# Altium PCB Cortex.PcbDoc
Units mil, origin at the board's own origin, x right, y up, seen from the top; angles counter-clockwise.
Board outline 6000 x 4000 mil, 2 copper layers (Top Layer, Bottom Layer); 84 components, 108 nets, 387 pads, 0 vias.
Unrouted connection lines stored in the file: 38.
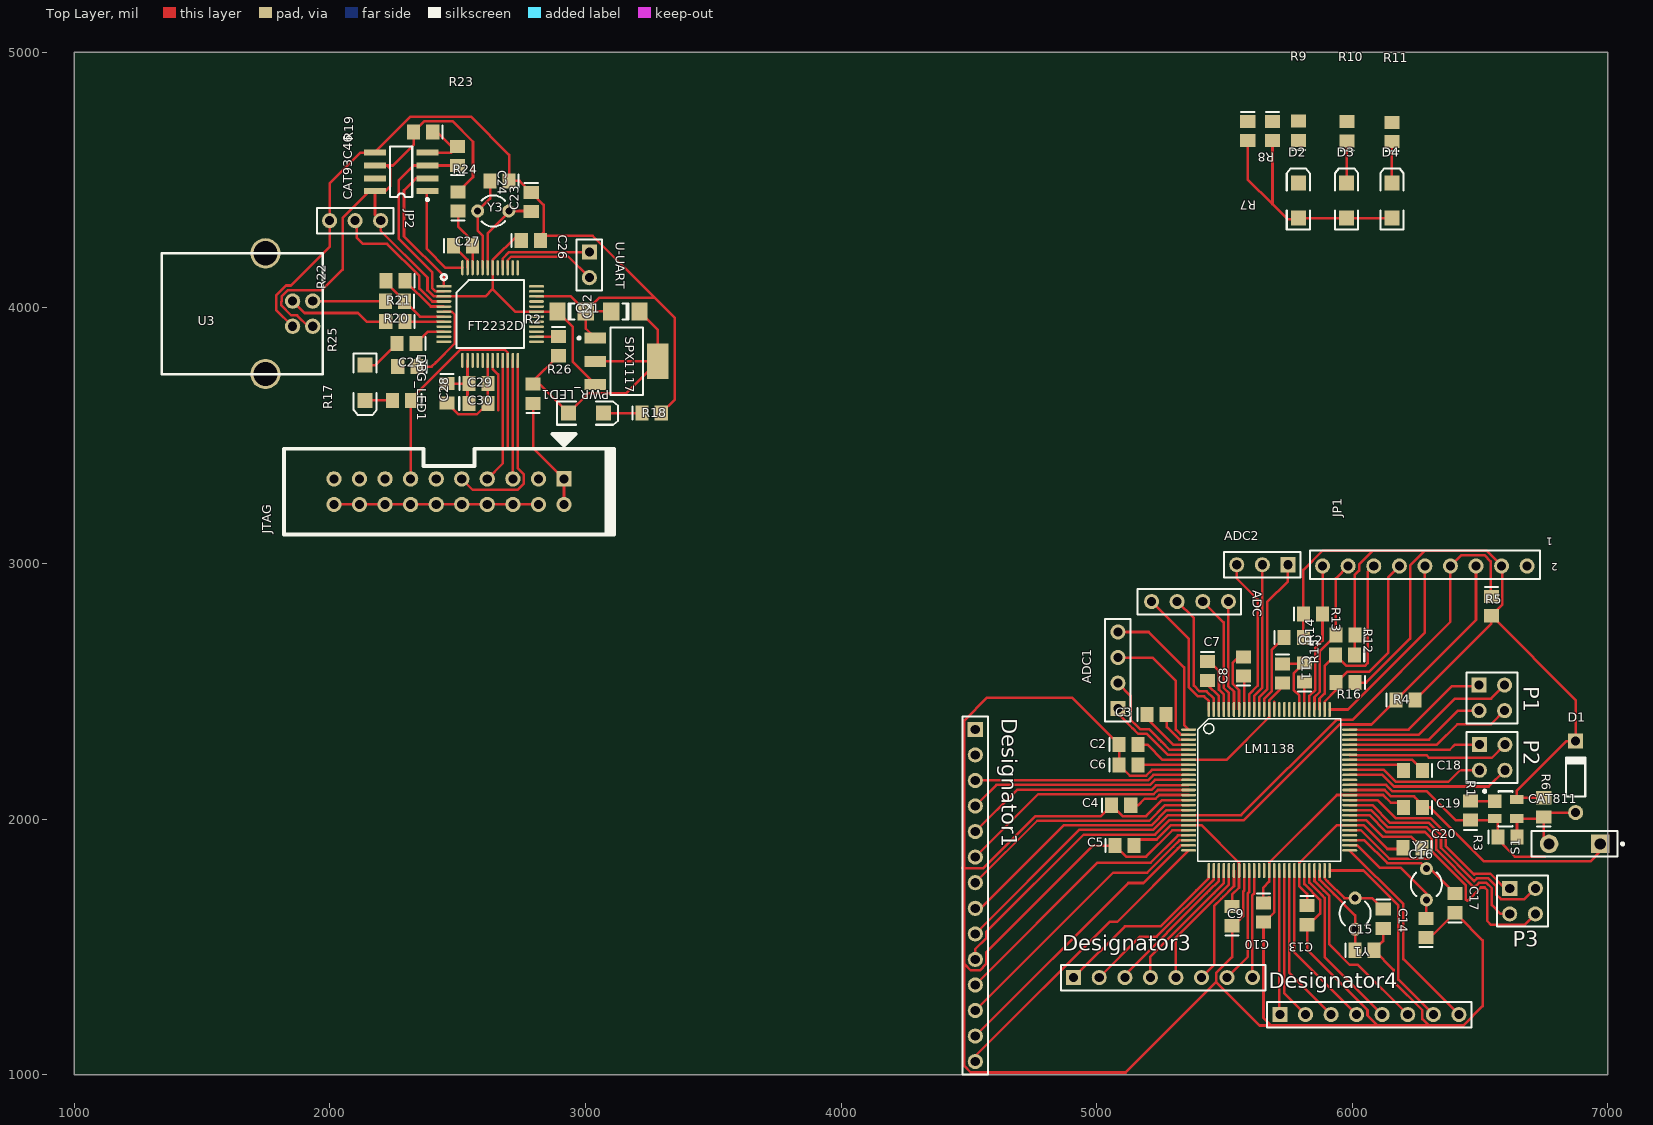
[diagram p0: Top Layer view]
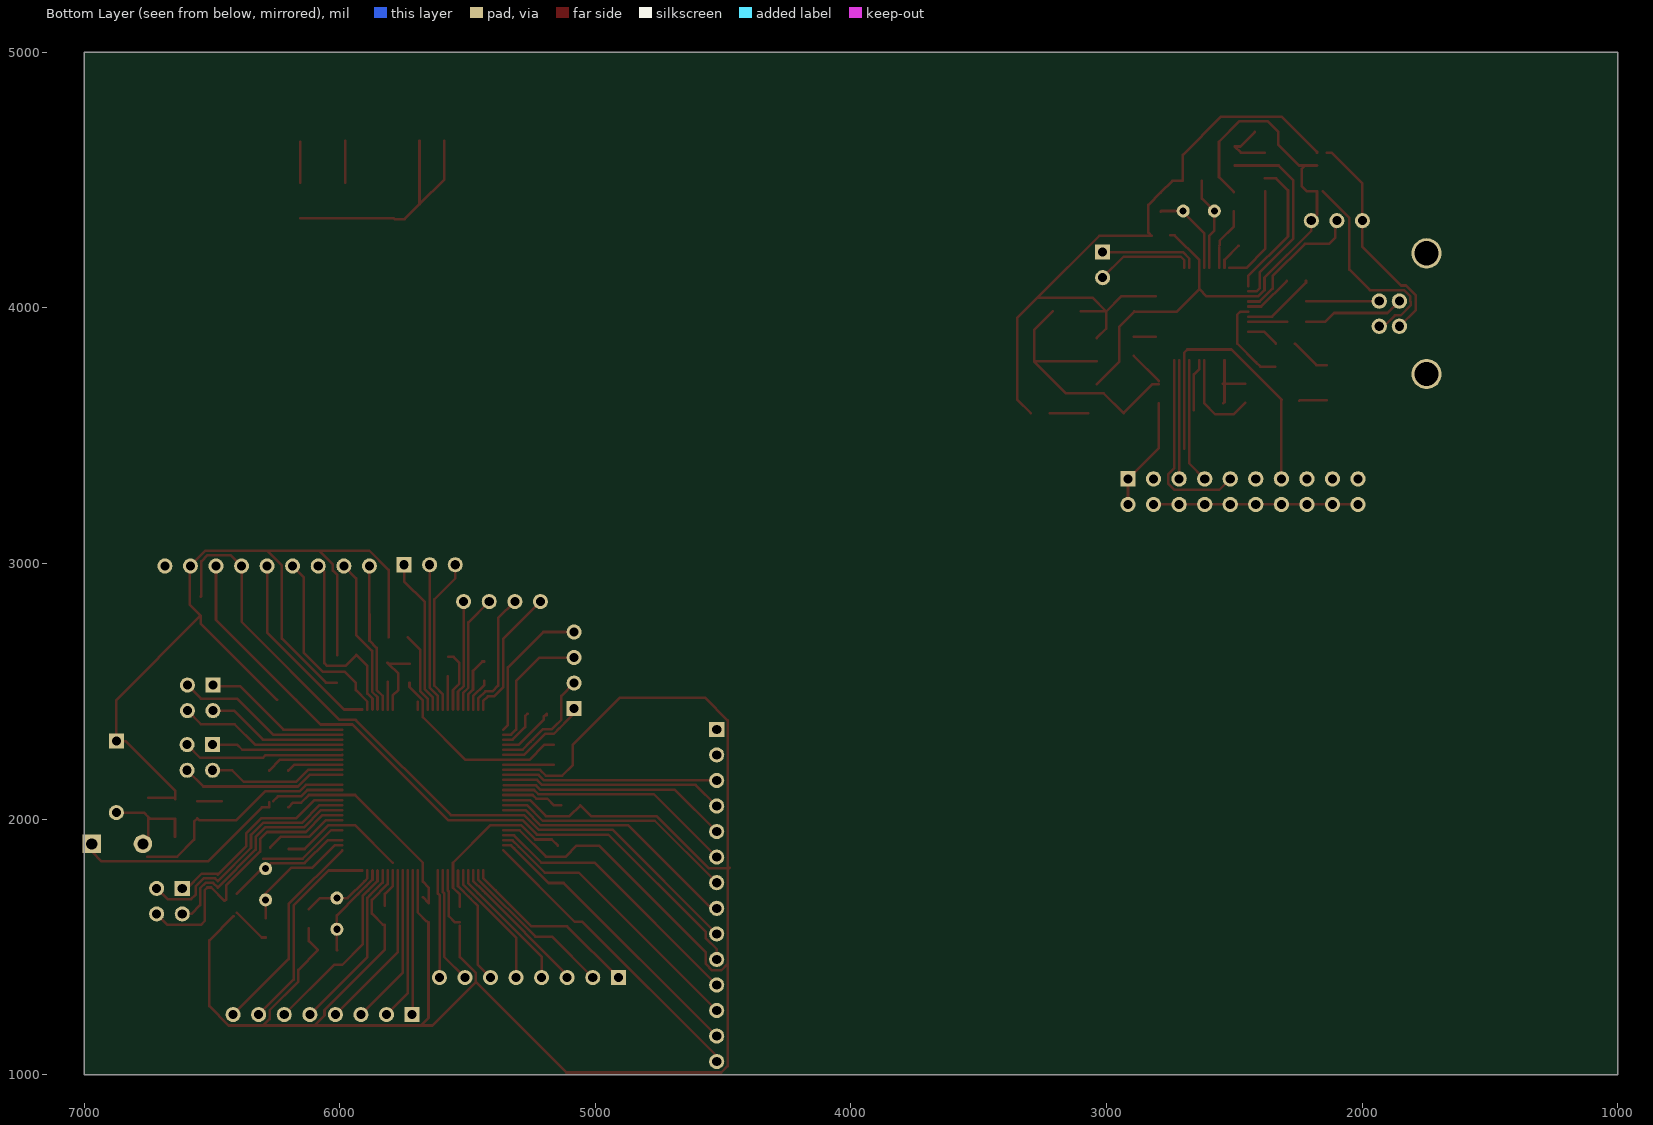
[diagram p1: Bottom Layer view, seen from below]

## Layer stack, top to bottom
Top Layer: signal copper 1.4
Dielectric: dielectric 12.6, FR-4, Dk 4.8
Bottom Layer: signal copper 1.4

## Board outline
1000,1000 7000,1000 7000,5000 1000,5000

## Design rules (kind name [scope] priority, off if disabled: settings)
Clearance [All] p1: gap=8
MinimumSolderMaskSliver [All] p1 off: minsoldermaskwidth=10
PolygonConnect [All] p1: connectstyle=Relief reliefconductorwidth=10 reliefentries=4 polygonreliefangle="90 Angle"
RoutingVias [All] p1: holewidth=28 width=50 viastyle="Through Hole" minholewidth=28 minwidth=50 maxholewidth=28 maxwidth=50
SilkToSilkClearance [All] p1 off: silktosilkclearance=10
SilkscreenOverComponentPads [All] p1 off: minsilkscreentomaskgap=10
SolderMaskExpansion [All] p1 off: expansion=4
TestPointUsage [All] p1: valid=0 allowmultiple=FALSE
Testpoint [All] p1: side=15 testpointundercomponent=TRUE minsize=40 maxsize=100 preferedsize=60 minholesize=0 maxholesize=40 preferedholesize=32 testpointgrid=1 style=1023 order=0-112345678
Width [All] p1: maxlimit=10 minlimit=10 preferedwidth=10
21 further rules are at their usual default settings.

## Components (designator, comment, footprint, x,y, rotation, side; value= is the part's Value field where it differs from the comment)
ADC "Header 8" HDR1X8#1 4815,2851 r0 top
ADC1 "Header 8" HDR1X4 5083,2432 r90 top (schematic designator ADC)
ADC2 "Header 8" HDR1X3#1 5748,2995 r180 top (schematic designator ADC)
C2 "Cap" C0805 5125,2291 r0 top
C3 "Cap" C0805 5234,2409 r0 top
C4 "Cap" C0805 5096,2054 r0 top
C5 "Cap" C0805 5109,1896 r0 top
C6 "Cap" C0805 5125,2212 r0 top
C7 "Cap" C0805 5434,2579 r270 top
C8 "Cap" C0805 5575,2597 r90 top
C9 "Cap" C0805 5530,1620 r90 top
C10 "Cap" C0805 5652,1634 r270 top
C11 "Cap" C0805 5727,2570 r270 top
C12 "Cap" C0805 5813,2574 r90 top
C13 "Cap" C0805 5823,1624 r270 top
C14 "Cap" C0805 6121,1610 r270 top
C15 "Cap" C0805 6048,1487 r0 top
C16 "Cap" C0805 6289,1574 r90 top
C17 "Cap" C0805 6402,1671 r90 top
C18 "Cap" C0805 6238,2190 r180 top
C19 "Cap" C0805 6238,2046 r180 top
C20 "Cap" C0805 6235,1888 r180 top
C21 "Cap Pol1" C1206 2946,3986 r0 top
C22 "Cap Pol1" C1206 3156,3986 r180 top
C23 "Cap" C0805 2788,4414 r270 top
C24 "Cap" C0805 2664,4497 r180 top
C25 "Cap" C0805 2303,3770 r180 top
C26 "Cap" C0805 2786,4263 r0 top
C27 "Cap" C0805 2521,4243 r0 top
C28 "Cap" C0805 2458,3666 r270 top
C29 "Cap" C0805 2582,3704 r0 top
C30 "Cap" C0805 2581,3626 r0 top
CAT93C46 "CAT93C46" SO8 2279,4532 r90 top
CAT811 "CAT811" SOT-143 6600,2040 r270 top
D1 "1N4148" DO-35 6874,2165 r90 top
D2 "LED2" 3.2X1.6X1.1 5788.87,4420 r90 top
D3 "LED2" 3.2X1.6X1.1 5977.87,4420 r90 top
D4 "LED2" 3.2X1.6X1.1 6154.87,4420 r90 top
DBG_LED1 "LED0" 3.2X1.6X1.1 2138,3707 r270 top
Designator1 "Comment" HDR1X14 4525,2351 r270 top
Designator3 "Comment" HDR1X8#2 4910,1380 r0 top
Designator4 "Comment" HDR1X8#2 5717,1235 r0 top
FT2232D "FT2232D" LQFP-48 2446,5084 r0 top locked
JP1 "Header 9X2" HDR2X9 6684,3090 r180 top
JP2 "Header 3" HDR1X3#2 1999,4341 r0 top
JTAG "JTAG(20-PIN)" IDC-20(2.54)IDE 2916,3331 r180 top
LM1138 "LM3S1138" LQFP-100 5360,2350 r0 top locked
P1 "Comment" HDR2X2 6496,2524 r270 top
P2 "Comment" HDR2X2 6497,2291 r270 top
P3 "Comment" HDR2X2 6616,1729 r270 top
PWR_LED1 "LED0" 3.2X1.6X1.1 3002,3588 r0 top
R1 "Res2" C0805 6462,2033 r90 top
R2 "Res2" C0805 2795,3664 r90 top
R3 "Res2" C0805 6607,1930 r0 top
R4 "Res2" C0805 6208,2466 r0 top
R5 "Res2" C0805 6544,2833 r270 top
R6 "Res2" C0805 6749,2046 r90 top
R7 "Res2" C0805 5590.87,4692 r270 top
R8 "Res2" C0805 5687.87,4692 r270 top
R9 "Res2" C0805 5789.87,4693 r90 top
R10 "Res2" C0805 5978.87,4691 r90 top
R11 "Res2" C0805 6154.87,4688 r90 top
R12 "Res2" C0805 5771,2711 r0 top
R13 "Res2" C0805 5846,2802 r0 top
R14 "Res2" C0805 5973,2720 r180 top
R15 "Res2" C0805 5972,2642 r180 top
R16 "Res2" C0805 5974,2534 r180 top
R17 "Res2" C0805 2283,3637 r180 top
R18 "Res2" C0805 3259,3588 r0 top
R19 "Res2" C0805 2365,4688 r180 top
R20 "Res2" C0805 2256,3946 r180 top
R21 "Res2" C0805 2255,4026 r180 top
R22 "Res2" C0805 2257,4106 r180 top
R23 "Res2" C0805 2499,4594 r90 top
R24 "Res2" C0805 2502,4416 r90 top
R25 "Res2" C0805 2300,3860 r180 top
R26 "Res2" C0805 2894,3850 r270 top
S1 "SW-PB" SPST-2 6870,1903 r180 top
SPX1117 "SPX1117" SOT223 3161,3791 r270 top
U3 "USB" USB-B 1933,3928 r0 top
U-UART "Header 8" HDR1X2 3015,4218 r270 top (schematic designator ADC)
Y1 "6MHz" R38 6011,1630 r180 top
Y2 "4.194304MHz" R38 6290,1745 r0 top
Y3 "6MHz" R38 2638.98,4379 r90 top

## Footprints (in the part's own frame and the unit in brackets; to place one, negate y for a bottom-side part, rotate by r counter-clockwise, add the part's x,y. Pads: shape width x height; smd on the part's side, far side on the other; paste and mask are expansions set on the pad)
3.2X1.6X1.1 [mm] "SMT LED; 2 Flat Leads"
  rect 1.5x1.5 smd: 1(-1.75,0) 2(1.75,0)
  silkscreen extent -2.9,-1.15 3.2,1.15
C0805 [mm] "Chip Capacitor; Body 2.0 x 1.2 mm (LxW typ)"
  rect 1.3x1.5 smd: 1(-0.95,0) 2(0.95,0)
  silkscreen extent -1.9,-0.65 -1.9,0.65
C1206 [mm] "Chip Capacitor; Body 3.2 x 1.6 mm (LxW typ)"
  rect 1.6x1.8 smd: 1(-1.4,0) 2(1.4,0)
  silkscreen extent -0.3,-0.8 0.3,0.8
DO-35 [mm] "Diode, Axial; Body 3.8 x 1.9 mm (LxDia. max), Lead Dia. 0.53 mm (max)"
  round 1.5 hole 0.9: 1(-3.55,0)
  rect 1.5x1.5 hole 0.9: 2(3.55,0)
  silkscreen extent -1.95,-0.95 2.05,0.95
HDR1X2 [mm] "Connector; Header; 2 Position"
  rect 1.5x1.5 hole 0.9: 1(0,0)
  round 1.5 hole 0.9: 2(2.54,0)
  silkscreen extent -1.27,-1.27 3.81,1.27
HDR1X3#1 [mm] "Connector; Header; 3 Position"
  rect 1.5x1.5 hole 0.9: 1(0,0)
  round 1.5 hole 0.9: 2(2.54,0) 3(5.08,0)
  silkscreen extent -1.27,-1.27 6.35,1.27
HDR1X3#2 [mm] "Connector; Header; 3 Position"
  round 1.5 hole 0.9: 1(0,0) 2(2.54,0) 3(5.08,0)
  silkscreen extent -1.27,-1.27 6.35,1.27
HDR1X4 [mm] "Connector; Header; 4 Position"
  rect 1.5x1.5 hole 0.9: 1(0,0)
  round 1.5 hole 0.9: 2(2.54,0) 3(5.08,0) 4(7.62,0)
  silkscreen extent -1.27,-1.27 8.89,1.27
HDR1X8#1 [mm] "Connector; Header; 8 Position"
  round 1.5 hole 0.9: 5(10.16,0) 6(12.7,0) 7(15.24,0) 8(17.78,0)
  silkscreen extent 8.76,-1.27 19.05,1.27
HDR1X8#2 [mm] "Connector; Header; 8 Position"
  rect 1.5x1.5 hole 0.9: 1(0,0)
  round 1.5 hole 0.9: 2(2.54,0) 3(5.08,0) 4(7.62,0) 5(10.16,0) 6(12.7,0) 7(15.24,0) 8(17.78,0)
  silkscreen extent -1.27,-1.27 19.05,1.27
HDR1X14 [mm] "Connector; Header; 14 Position"
  rect 1.5x1.5 hole 0.9: 1(0,0)
  round 1.5 hole 0.9: 2(2.54,0) 3(5.08,0) 4(7.62,0) 5(10.16,0) 6(12.7,0) 7(15.24,0) 8(17.78,0) 9(20.32,0) 10(22.86,0) 11(25.4,0) 12(27.94,0) 13(30.48,0) 14(33.02,0)
  silkscreen extent -1.27,-1.27 34.29,1.27
HDR2X2 [mm] "Connector; Header; 2x2 Position"
  rect 1.5x1.5 hole 0.9: 1(0,0)
  round 1.5 hole 0.9: 2(0,2.54) 3(2.54,0) 4(2.54,2.54)
  silkscreen extent -1.27,-1.27 3.81,3.81
HDR2X9 [mm] "Connector; Header; 9x2 Position"
  round 1.5 hole 0.9: 2(0,2.54) 4(2.54,2.54) 6(5.08,2.54) 8(7.62,2.54) 10(10.16,2.54) 12(12.7,2.54) 14(15.24,2.54) 16(17.78,2.54) 18(20.32,2.54)
  silkscreen extent -1.27,1 21.59,3.81
IDC-20(2.54)IDE [mil]
  rect 60x60 hole 36: 1(0,0)
  round 60 hole 36: 2(0,100) 3(100,0) 4(100,100) 5(200,0) 6(200,100) 7(300,0) 8(300,100) 9(400,0) 10(400,100) 11(500,0) 12(500,100) 13(600,0) 14(600,100) 15(700,0) 16(700,100) 17(800,0) 18(800,100) 19(900,0) 20(900,100)
  silkscreen extent -196,-175 1096,218
LQFP-48 [mm]
  rect 1.5x0.25 smd: 1(0,-25.4)
  oval 1.5x0.25 smd: 2(0,-25.9) 3(0,-26.4) 4(0,-26.9) 5(0,-27.4) 6(0,-27.9) 7(0,-28.4) 8(0,-28.9) 9(0,-29.4) 10(0,-29.9) 11(0,-30.4) 12(0,-30.9) 25(9.2,-30.9) 26(9.2,-30.4) 27(9.2,-29.9) 28(9.2,-29.4) 29(9.2,-28.9) 30(9.2,-28.4) 31(9.2,-27.9) 32(9.2,-27.4) 33(9.2,-26.9) 34(9.2,-26.4) 35(9.2,-25.9) 36(9.2,-25.4)
  oval 0.25x1.5 smd: 13(1.85,-32.75) 14(2.35,-32.75) 15(2.85,-32.75) 16(3.35,-32.75) 17(3.85,-32.75) 18(4.35,-32.75) 19(4.85,-32.75) 20(5.35,-32.75) 21(5.85,-32.75) 22(6.35,-32.75) 23(6.85,-32.75) 24(7.35,-32.75) 37(7.35,-23.55) 38(6.85,-23.55) 39(6.35,-23.55) 40(5.85,-23.55) 41(5.35,-23.55) 42(4.85,-23.55) 43(4.35,-23.55) 44(3.85,-23.55) 45(3.35,-23.55) 46(2.85,-23.55) 47(2.35,-23.55) 48(1.85,-23.55)
  silkscreen extent -0.28,-31.51 7.96,-24.2
LQFP-100 [mm]
  oval 1.5x0.25 smd: 1(0,0) 2(0,-0.5) 3(0,-1) 4(0,-1.5) 5(0,-2) 6(0,-2.5) 7(0,-3) 8(0,-3.5) 9(0,-4) 10(0,-4.5) 11(0,-5) 12(0,-5.5) 13(0,-6) 14(0,-6.5) 15(0,-7) 16(0,-7.5) 17(0,-8) 18(0,-8.5) 19(0,-9) 20(0,-9.5) 21(0,-10) 22(0,-10.5) 23(0,-11) 24(0,-11.5) 25(0,-12) 51(16,-12) 52(16,-11.5) 53(16,-11) 54(16,-10.5) 55(16,-10) 56(16,-9.5) 57(16,-9) 58(16,-8.5) 59(16,-8) 60(16,-7.5) 61(16,-7) 62(16,-6.5) 63(16,-6) 64(16,-5.5) 65(16,-5) 66(16,-4.5) 67(16,-4) 68(16,-3.5) 69(16,-3) 70(16,-2.5) 71(16,-2) 72(16,-1.5) 73(16,-1) 74(16,-0.5) 75(16,0)
  oval 0.25x1.5 smd: 26(2,-14) 27(2.5,-14) 28(3,-14) 29(3.5,-14) 30(4,-14) 31(4.5,-14) 32(5,-14) 33(5.5,-14) 34(6,-14) 35(6.5,-14) 36(7,-14) 37(7.5,-14) 38(8,-14) 39(8.5,-14) 40(9,-14) 41(9.5,-14) 42(10,-14) 43(10.5,-14) 44(11,-14) 45(11.5,-14) 46(12,-14) 47(12.5,-14) 48(13,-14) 49(13.5,-14) 50(14,-14) 76(14,2) 77(13.5,2) 78(13,2) 79(12.5,2) 80(12,2) 81(11.5,2) 82(11,2) 83(10.5,2) 84(10,2) 85(9.5,2) 86(9,2) 87(8.5,2) 88(8,2) 89(7.5,2) 90(7,2) 91(6.5,2) 92(6,2) 93(5.5,2) 94(5,2) 95(4.5,2) 96(4,2) 97(3.5,2) 98(3,2) 99(2.5,2) 100(2,2)
  silkscreen extent 0.9,-13.1 15.1,1.1
R38 [mm] "Crystal, Thru-Hole; 2 Leads; Body 3.1 x 8.2 mm (Dia.xH)"
  round 1.3 hole 0.7: 1(0,1.55) 2(0,-1.55)
  silkscreen extent -1.55,-1.19 1.55,1.17
SO8 [mm] "Small Outline; 8 Leads; Body Width 3.9 mm; Pitch 1.27 mm"
  rect 0.6x2.2 smd: 1(-1.905,-2.6) 2(-0.635,-2.6) 3(0.635,-2.6) 4(1.905,-2.6) 5(1.905,2.6) 6(0.635,2.6) 7(-0.635,2.6) 8(-1.905,2.6)
  silkscreen extent -2.88,-2.72 2.5,1.1
SOT223 [mm] "SOT-223/SC-73; 4 Leads; Body 6.7 x 7.3 mm, inc. leads (LxW max)"
  rect 1.1x2.15 smd: 1(-2.3,-3.1) 2(0,-3.1) 3(2.3,-3.1)
  rect 3.5x2.15 smd: 4(0,3.1)
  silkscreen extent -3.35,-4.85 3.35,1.63
SOT-143 [mm] "SOT-143; 4 Leads; Body 3 x 2.6 mm, inc. leads (LxW max)"
  rect 1.35x1.35 smd: 1(-0.75,-1.1)
  rect 0.9x1.35 smd: 2(0.95,-1.1) 3(0.95,1.1) 4(-0.95,1.1)
  silkscreen extent -1.87,-2.22 1.75,0.7
SPST-2 [mm] "Circuit Breaker; 2 Leads"
  rect 1.85x1.85 hole 1.1: 1(-2.54,0)
  round 1.85 hole 1.1: 2(2.54,0)
  silkscreen extent -4.89,-1.27 4.28,1.27
USB-B [mm] "方头USB"
  round 1.524 hole 0.92: 1(0,0) 2(0,2.5) 3(-2,2.5) 4(-2,0)
  round 3 hole 2.4: 5(-4.7,7.25) 6(-4.7,-4.75)
  silkscreen extent -15,-4.75 1,7.25

## Part data
ADC ADC1 ADC2 U-UART: "Header, 8-Pin"
C2 C3 C4 C5 C6 C7 C8 C9 C10 C11 C12 C13 C14 C15 C16 C17 C18 C19 C20 C23 C24 C25 C26 C27 C28 C29 C30: "Capacitor"
C21 C22: "Polarized Capacitor (Radial)"
D1: library part "Diode 1N4148", "High Conductance Fast Diode"
D2 D3 D4: "Typical RED, GREEN, YELLOW, AMBER GaAs LED"
DBG_LED1 PWR_LED1: "Typical INFRARED GaAs LED"
JP1: "Header, 9-Pin, Dual row"
JP2: "Header, 3-Pin"
R1 R2 R3 R4 R5 R6 R7 R8 R9 R10 R11 R12 R13 R14 R15 R16 R17 R18 R19 R20 R21 R22 R23 R24 R25 R26: "Resistor"
S1: "Switch"
SPX1117: library part USB
Y1 Y2 Y3: library part XTAL, "Crystal Oscillator"

## Nets (pads, with @x,y where several pads share a name; then routed paths per layer and width w, separated by ;. In a path a pad name is that pad's centre, name@x,y a point inside that pad or via, vN(x,y) a via of type N, cw(c..) or ccw(c..) an arc to the next point about the centre after c; other vN are vias at no path point)
2.5V: C2.2 C4.2 C10.1 C11.2 C19.2 LM1138.7 LM1138.14 LM1138.38 LM1138.62 LM1138.88 | length 1859.4
  Top Layer w10: C4.2 5162.4,2054 5187.87,2079.47 5230.66,2079.47 5245.28,2094.09 LM1138.14 ; C2.2@5162.4,2290 5200,2290 5258,2232 LM1138.7@5359.89,2232 ; LM1138.7 5508.38,2231.89 5674.96,2398.47 LM1138.88 5674.96,2464.78 5727,2516.82 C11.2 ; C10.1@5674.96,1694.36 C10.1 5652,1732 5674.96,1754.96 LM1138.38 5674.96,1829.09 5939.97,2094.09 LM1138.62 6120.45,2094.09 6150.54,2064 6182.6,2064 C19.2
3.3V: C3.2 C5.2 C6.2 C7.2 C8.1 C9.2 C12.1 C13.1 C20.2 CAT811.4 D1.2 D2.1 D3.1 D4.1 JP1.4 LM1138.3 LM1138.8 LM1138.20 LM1138.32 LM1138.44 LM1138.56 LM1138.81 LM1138.93 LM1138.98 R4.2 R5.2 R6.2 R7.2 R8.2 R12.2 R13.1 R14.1 R15.1 R16.1 | length 7075
  Top Layer w10: C5.2 5170.4,1920 5234.54,1920 5290.53,1975.98 LM1138.20 5409.95,1975.98 5556.85,1829.09 LM1138.32 5556.85,1731.38 5530,1704.53 C9.2 ; C6.2@5162.4,2212.2 5359.8,2212.2 5320.61,2212.2 ; C3.2@5265.4,2412 5274.54,2402.86 5274.54,2360.06 5323.96,2310.63 LM1138.3 ; C7.2 5434,2525.27 5478.11,2481.16 LM1138.98 ; LM1138.93 C8.1@5576.53,2559.6 ; R7.2 5590.87,4503 5687.87,4406 ; R8.2 5687.87,4406 ; LM1138.44 5793.07,1736.93 5823,1707 C13.1 ; 5793.07,1829.09 5939.97,1975.98 LM1138.56 6044.02,1975.98 6137,1883 C20.2@6198.6,1883 ; R12.2 5808.6,2711.2 R13.1 5808.6,2974.74 5884.38,3050.53 6080.53,3050.53 ; LM1138.81 C12.1@5812.76,2536.35 ; R15.1 6010.4,2643 R14.1 6010.4,2956.26 6026.53,2972.38 6026.53,2996.53 6080.53,3050.53 ; R16.1 6054,2534 6226.53,2706.53 6226.53,2992.67 6284.38,3050.53 ; D4.1 D3.1 D2.1 5785.17,4347.4 5746.47,4347.4 5687.87,4406 ; R4.2 6544,2764.6 R5.2 ; R6.2 6649.31,2083.4 CAT811.4 6643.31,2109.83 6838.24,2304.76 D1.2 6874,2465.6 R5.2 ; 6080.53,3050.53 6284.38,3050.53 ; 6284.38,3050.53 6524.93,3050.53 6584,2991.46 JP1.4 6586.53,2987.47 6586.53,2838.13 R5.2
5V: JP1.2
/HIB: Designator4.8 LM1138.51 | length 819.5
  Top Layer w10: LM1138.51 6199.49,1667.99 6199.49,1452.51 Designator4.8
/RST: CAT811.2 LM1138.64 R1.1 R3.1 | length 929
  Top Layer w10: LM1138.64 6131.99,2133.47 6155.98,2109.47 6290.53,2109.47 6404.4,1995.6 R1.1 ; R1.1@6465,1995.6 R1.1 ; 6752.58,1852.58 6636.36,1852.58 6569.6,1919.35 R3.1 6569.6,1989.69 CAT811.2 6549.69,1995.6 R1.1
/TRST: LM1138.89 R12.1 | length 314.7
  Top Layer w10: LM1138.89 5655.27,2470.55 5684.47,2499.74 5684.47,2661.87 R12.1
/WAKE: Designator4.7 LM1138.50 | length 809.3
  Top Layer w10: LM1138.50 6043.2,1798.82 6180,1662.02 6180,1372 Designator4.7
ADC0: ADC1.4 LM1138.1 | length 607.3
  Top Layer w10: ADC1.4 5203.46,2732 5342,2593.46 5342,2520 ; 5342,2560 5342,2520 ; LM1138.1 5342,2368 5342,2520
ADC1: ADC1.3 LM1138.2 | length 513.2
  Top Layer w10: ADC1.3 5218,2632 5310,2540 5310,2350.05 5329.73,2330.32 LM1138.2
ADC2: ADC1.2 LM1138.5 | length 453.9
  Top Layer w10: ADC1.2 5133,2482 5133,2435.01 5133,2388.53 5158.01,2363.52 5170,2351.53 5203.93,2351.53 5252.73,2302.73 ; 5242.73,2312.73 5252.73,2302.73 ; LM1138.5 5284.2,2271.26 5252.73,2302.73
ADC3: ADC1.1 LM1138.6 | length 394.7
  Top Layer w10: ADC1.1 5083,2413.07 5162.54,2333.53 ; 5140,2356.07 5162.54,2333.53 ; LM1138.6 5278.43,2251.57 5196.47,2333.53 5162.54,2333.53
ADC4: ADC.5 LM1138.100 | length 548.6
  Top Layer w10: ADC.5 5360,2706 5360,2580 ; 5360,2600 5360,2580 ; LM1138.100 5438.74,2461.26 5420,2480 5396.64,2480 5360,2516.64 5360,2580
ADC5: ADC.6 LM1138.99 | length 518
  Top Layer w10: ADC.6 5380,2786 5380,2580 ; 5380,2600 5380,2580 ; LM1138.99 5458.43,2471.57 5430,2500 5402.1,2500 5380,2522.1 5380,2580
ADC6: ADC.7 LM1138.96 | length 494.7
  Top Layer w10: ADC.7 5496.47,2769.53 5496.47,2550 ; 5496.47,2580 5496.47,2550 ; LM1138.96 5517.48,2492.7 5496.47,2513.71 5496.47,2550
ADC7: ADC.8 LM1138.95 | length 471.9
  Top Layer w10: 5514.47,2580 5514.47,2540 ; ADC.8 5514.47,2850.47 5514.47,2540 ; LM1138.95 5537.16,2498.47 5514.47,2521.17 5514.47,2540
GND: C2.1 C3.1 C4.1 C5.1 C6.1 C7.1 C8.2 C9.1 C10.2 C11.1 C12.2 C13.2 C14.2 C15.2 C16.1 C17.1 C18.1 C19.1 C20.1 C21.2 C22.2 C23.1 C24.1 C25.2 C26.2 C27.1 C28.2 C29.2 C30.2 CAT93C46.5 CAT811.1 FT2232D.9 FT2232D.18 FT2232D.25 FT2232D.34 FT2232D.45 FT2232D.47 JP1.10 JP2.1 JTAG.4 JTAG.6 JTAG.8 JTAG.10 JTAG.12 JTAG.14 JTAG.16 JTAG.18 JTAG.20 LM1138.4 LM1138.9 LM1138.15 LM1138.21 LM1138.33 LM1138.39 LM1138.45 LM1138.54 LM1138.57 LM1138.63 LM1138.65 LM1138.69 LM1138.76 LM1138.82 LM1138.87 LM1138.94 LM1138.97 R1.2 R18.2 S1.1 SPX1117.1 U3.4 | length 18525.2
  Top Layer w10: U3.4 1790,3992.26 1790,4048.43 1828.99,4087.42 1847.42,4087.42 2000,4240 JP2.1@2000,4341 ; JP2.1 1999,4486 2120,4607 CAT93C46.5@2139.11,4607 ; JTAG.20 JTAG.18 JTAG.16 JTAG.14 JTAG.12 JTAG.10 JTAG.8 JTAG.6 JTAG.4 ; CAT93C46.5 2176.64,4610.54 2314.62,4748.53 2551.47,4748.53 2701.4,4598.6 C24.1 2742.4,4497 C23.1 2836.09,4403.31 2836.09,4294.69 2823.4,4282 3028.44,4282 3270.22,4040.22 3270,4040 ; C28.2 2503.13,3583.47 2574.57,3583.47 2617.26,3626.16 FT2232D.18 ; C27.1 2538.52,4188.08 FT2232D.47 ; FT2232D.34 2942.49,4044.63 C21.2 ; SPX1117.1 3001.12,3919.39 C21.2 ; C22.2 C21.2 ; R18.2 3350,3641.6 3350,3932.43 3350,3960 3270,4040 ; 4475,1810 4476.53,1808.47 4482.47,1808.47 ; C2.1@5087.6,2290 C6.1 5130.13,2169.47 5193.38,2169.47 5216.42,2192.52 LM1138.9 ; C2.1 4903.8,2474.8 4571.36,2474.8 4482.47,2385.91 4482.47,1808.47 ; C3.1@5190.6,2406.06 5190.6,2412 5201.3,2401.3 5201.3,2388.7 5299.06,2290.95 LM1138.4 ; 5329.73,1956.3 LM1138.21 5296.3,1956.3 5193.47,1853.47 5115.43,1853.47 5072.9,1896 C5.1 4986,1896 4567.53,1477.53 4567.53,1433.38 4542.62,1408.47 4507.38,1408.47 4482.47,1433.38 ; 5329.73,2074.41 LM1138.15 5256.31,2074.41 5193.38,2011.47 5101.13,2011.47 C4.1 5016.07,2011.47 4760.02,2011.47 4557.02,1808.47 4482.47,1808.47 ; C7.1 5442.07,2616.4 5478.47,2580 5478.47,2506.26 5497.8,2486.93 LM1138.97 ; C9.1 5530,1460.14 5467.47,1397.62 5467.47,1362.38 ; C9.1@5530,1596.6 5550.07,1596.6 5573.47,1620 5573.47,1717.29 5576.53,1720.35 LM1138.33 ; LM1138.94 5556.85,2504.97 5540.82,2521.01 5540.09,2521.01 5532.47,2528.62 5532.47,2612.47 5554.4,2634.4 C8.2 ; C10.2 5652.53,1596.07 5652.53,1222.03 5682.09,1192.47 ; C10.2@5660,1600 5694.65,1634.64 LM1138.39 ; LM1138.87 5694.65,2459.01 ; C11.1 C12.2@5809,2607.4 ; LM1138.82 5793.07,2483.03 5770.47,2505.62 5770.47,2568.87 C12.2@5809,2607.4 ; LM1138.45 5812.76,1745.47 5874,1684.23 5874,1630 5830.6,1586.6 C13.2 5823,1489.14 6059.53,1252.62 6059.53,1232.33 6099.38,1192.47 ; C12.2 C12.2@5809,2607.4 ; LM1138.76 5982.45,2428.74 6284,2730.29 JP1.10 ; LM1138.57 6054.33,1995.67 6118.53,1931.47 6228.93,1931.47 C20.1 ; LM1138.63 6126.22,2113.78 6151.47,2088.53 6241.47,2088.53 C19.1@6260,2070 ; LM1138.69@5990.56,2232.53 6232.87,2232.53 C18.1 ; C14.2 6121,1522.6 C15.2 6162,1410.4 6162,1364.54 6274.47,1252.07 6274.47,1217.38 6299.38,1192.47 ; C19.1@6275.4,2065.13 C19.1 6304,2046 6515.42,1834.58 6931.58,1834.58 6970,1873 S1.1 ; C16.1 6305,1536.6 C17.1 ; C17.1@6415.6,1620 6510,1525.6 6510,1267.86 6434.62,1192.47 6299.38,1192.47 ; R1.2 6555.82,2070.4 CAT811.1 ; C21.2 3055.12,4040 3270,4040 ; 4482.47,1433.38 4482.47,1033.38 4507.38,1008.47 5113.56,1008.47 5467.47,1362.38 ; 4482.47,1433.38 4482.47,1808.47 ; 5467.47,1362.38 5637.38,1192.47 5682.09,1192.47 ; 5682.09,1192.47 6099.38,1192.47 ; 6099.38,1192.47 6299.38,1192.47
NetC1_2: CAT811.3 D1.1 R3.2 R6.1 S1.2 | length 425.2
  Top Layer w10: R3.2 6644.4,2001.5 6741.91,2001.5 R6.1 ; S1.2 6749,1924 R6.1 ; D1.1 6765.64,2025.24 R6.1
NetC18_2: C18.2 LM1138.68 | length 219.9
  Top Layer w10: LM1138.68 6178.39,2212.2 C18.2
NetC23_2: C23.2 FT2232D.43 Y3.2 | length 352.3
  Top Layer w10: FT2232D.43 2617.26,4290.24 2701.52,4374.5 2704.5,4374.5 Y3.2@2710,4380 ; Y3.2 2785.6,4379 C23.2
NetC24_2: C24.2 FT2232D.44 Y3.1 | length 368.4
  Top Layer w10: FT2232D.44 2597.57,4282.43 2577.95,4302.05 Y3.1 2626.6,4427.65 C24.2
NetC25_1: C25.1 FT2232D.6 | length 346.3
  Top Layer w10: C25.1 2398.49,3770 2414.96,3786.47 2488.53,3860.04 2488.53,3973.31 2476.27,3985.57 FT2232D.6
NetC27_2: C27.2 FT2232D.46 R24.1 | length 237.2
  Top Layer w10: R24.1 2502,4318 2557,4263 2557,4244.4 C27.2 ; FT2232D.46 2558.2,4234.8 C27.2@2558.4,4235
NetCAT93C46_1: CAT93C46.1 FT2232D.48 | length 396.4
  Top Layer w10: CAT93C46.1@2379.36,4457 2379.36,4230.64 2453.16,4156.84 FT2232D.48
NetCAT93C46_2: CAT93C46.2 FT2232D.1 | length 551.4
  Top Layer w10: CAT93C46.2 2337,4507 2290,4460 2290,4280 2446,4124 FT2232D.1
NetCAT93C46_3: CAT93C46.3 FT2232D.2 R23.1 | length 780.8
  Top Layer w10: FT2232D.2 2412.85,4064.32 2400,4077.17 2400,4140 2270,4270 2270,4500 2327,4557 CAT93C46.3 2498.6,4557 R23.1
NetCAT93C46_4: CAT93C46.4 R19.1 R23.2 | length 230.8
  Top Layer w10: CAT93C46.4 2474.6,4607 R23.2 2476,4631.4 R19.1@2419.4,4688
NetD2_2: D2.2 R9.1
NetD3_2: D3.2 R10.1 | length 165.1
  Top Layer w10: D3.2 5978.87,4489.9 R10.1
NetD4_2: D4.2 R11.1 | length 161.7
  Top Layer w10: D4.2 R11.1
NetDBG_LED1_2: DBG_LED1.2 R17.2 | length 108.1
  Top Layer w10: DBG_LED1.2 2244.5,3638.1 R17.2
NetFT2232D_4: FT2232D.4 JP2.2 | length 532.7
  Top Layer w10: JP2.2@2105,4335 2105,4275 2130,4250 2223.9,4250 2350,4123.9 2350,4075.86 2400.91,4024.95 FT2232D.4
NetFT2232D_5: FT2232D.5 R22.1 | length 193.3
  Top Layer w10: R22.1 2395.14,4005.26 FT2232D.5
NetFT2232D_7: FT2232D.7 R21.1 R22.2 | length 288.7
  Top Layer w10: R22.2 2219.6,4098.8 R21.1 2352.51,3965.89 FT2232D.7
NetFT2232D_8: FT2232D.8 R20.1 | length 152.7
  Top Layer w10: R20.1 2445.8,3946 FT2232D.8
NetFT2232D_10: FT2232D.10 R25.1 | length 128
  Top Layer w10: R25.1 2384.24,3906.84 FT2232D.10
NetFT2232D_26: FT2232D.26 R26.1 | length 85.9
  Top Layer w10: FT2232D.26 2893.75,3887.15 R26.1
NetJTAG_1: JTAG.1 JTAG.2 R2.1 | length 445.7
  Top Layer w10: R2.1 2795,3452 JTAG.1 JTAG.2
NetPWR_LED1_2: PWR_LED1.2 R18.1 | length 150.7
  Top Layer w10: PWR_LED1.2 R18.1
NetR20_2: R20.2 U3.3 | length 397.7
  Top Layer w10: U3.3 1900.68,3980 2110,3980 2144,3946 R20.2
NetR21_2: R21.2 U3.2 | length 284.8
  Top Layer w10: U3.2 2217.17,4026.42 R21.2
OSC0: C15.1 LM1138.48 Y1.1 | length 378.7
  Top Layer w10: LM1138.48 5871.81,1762.78 5896.3,1738.29 5896.37,1738.29 5928,1706.66 5928,1706.59 6011,1623.59 6011,1610 ; C15.1 6011,1487.4 Y1.1 6011,1610 ; 6011,1619 6011,1610
OSC1: C14.1 LM1138.49 Y1.2 | length 310
  Top Layer w10: LM1138.49 5891.49,1768.55 5903.76,1756.29 5903.82,1756.29 5969.09,1691.02 Y1.2 6077.38,1691.02 C14.1
PA0: Designator3.1 LM1138.26 | length 719.3
  Top Layer w10: Designator3.1 5110,1580 5249.09,1580 5390,1720.91 5438.74,1769.65 LM1138.26
PA1: Designator3.2 LM1138.27 | length 642.4
  Top Layer w10: Designator3.2 5170,1540 5234.54,1540 5458.43,1763.88 LM1138.27
PA2: Designator3.3 LM1138.28 | length 585.4
  Top Layer w10: Designator3.3 5110,1390 5440,1720 ; 5430,1710 5440,1720 ; LM1138.28 5478.11,1758.11 5440,1720
PA3: Designator3.4 LM1138.29 | length 550.9
  Top Layer w10: Designator3.4 5210,1461.82 5459.09,1710.91 ; 5450,1701.82 5459.09,1710.91 ; LM1138.29 5497.8,1749.61 5459.09,1710.91
PA4: Designator3.5 LM1138.30 | length 504.8
  Top Layer w10: Designator3.5 5310,1536.36 5491.82,1718.18 5517.48,1743.84 LM1138.30
PA5: Designator3.6 LM1138.31 | length 482.3
  Top Layer w10: Designator3.6 5459.55,1429.55 5459.55,1660.45 5487.47,1688.38 ; 5495.09,1695.99 5487.47,1688.38 ; LM1138.31 5537.16,1738.07 5487.47,1688.38
PA6: Designator3.7 LM1138.34 | length 497.6
  Top Layer w10: Designator3.7 5591.47,1461.47 5591.47,1610 ; 5591.47,1566.93 5591.47,1610 ; LM1138.34 5596.22,1714.58 5591.47,1709.83 5591.47,1610
PA7: Designator3.8 LM1138.35 | length 452.2
  Top Layer w10: 5609.47,1559.47 5609.47,1590 ; Designator3.8 5609.47,1380.53 5609.47,1590 ; LM1138.35 5615.9,1708.81 5609.47,1702.38 5609.47,1590
PB0: LM1138.66 P2.4 | length 652.2
  Top Layer w10: LM1138.66 6118.08,2172.84 6163.44,2127.47 6533.47,2127.47 P2.4
PB1: LM1138.67 P2.3 | length 545.4
  Top Layer w10: LM1138.67 6123.85,2192.52 6170.9,2145.47 6375.47,2145.47 6421,2191 P2.3
PB2: LM1138.70 P2.2 | length 633
  Top Layer w10: LM1138.70 5990.97,2250.53 6289.47,2250.53 6300,2240 6546,2240 P2.2
PB3: LM1138.71 P2.1 | length 515.3
  Top Layer w10: LM1138.71 6381.26,2271.26 6401,2291 P2.1
PB4: ADC2.3 LM1138.92 | length 624.2
  Top Layer w10: ADC2.3 5548,2942 5630,2860 5630,2620 ; LM1138.92 5596.22,2487.86 5630,2521.64 5630,2620 ; 5630,2630 5630,2620
PB5: ADC2.2 LM1138.91 | length 609.9
  Top Layer w10: LM1138.91 5615.9,2482.09 5648.47,2514.66 5648.47,2600 ; ADC2.2 5648.47,2994.53 5648.47,2600 ; 5648.47,2630 5648.47,2600
PB6: ADC2.1 LM1138.90 | length 652.8
  Top Layer w10: LM1138.90 5635.59,2476.32 5666.47,2507.2 5666.47,2590 ; 5666.47,2630 5666.47,2590 ; ADC2.1 5748,2930 5666.47,2848.47 5666.47,2720 5666.47,2590
PB7: 
PC0: 
PC1: 
PC2: 
PC3: 
PC4: Designator1.14 LM1138.25 | length 1189.9
  Top Layer w10: Designator1.14 4525,1072.44 5050.56,1598 5080.44,1598 LM1138.25
PC5: Designator1.13 LM1138.24 | length 1144.1
  Top Layer w10: Designator1.13 5124,1750 5182.49,1750 5317.47,1884.98 5329.73,1897.24 LM1138.24
PC6: Designator1.12 LM1138.23 | length 1110.8
  Top Layer w10: Designator1.12 5064,1790 5197.03,1790 5299.47,1892.44 5323.96,1916.93 LM1138.23
PC7: Designator1.11 LM1138.22 | length 1077.6
  Top Layer w10: Designator1.11 5004,1830 5211.58,1830 5318.19,1936.62 LM1138.22
PD0: Designator1.3 LM1138.10 R9.2 | length 854
  Top Layer w10: Designator1.3 4525.47,2151.47 4960,2151.47 ; 4950,2151.47 4960,2151.47 ; LM1138.10 5222.2,2172.84 5200.83,2151.47 4960,2151.47
PD1: Designator1.4 LM1138.11 R7.1 | length 877.3
  Top Layer w10: Designator1.4 4607.47,2133.47 4960,2133.47 5208.29,2133.47 5227.97,2153.15 LM1138.11
PD2: Designator1.5 LM1138.12 | length 947.5
  Top Layer w10: Designator1.5 4689.47,2115.47 4960,2115.47 ; 4920.67,2115.47 4960,2115.47 ; LM1138.12@5358.31,2131.78 5232.05,2131.78 5215.74,2115.47 4960,2115.47
PD3: Designator1.6 LM1138.13 | length 964.4
  Top Layer w10: Designator1.6 4771.47,2097.47 4940,2097.47 ; 4919.47,2097.47 4940,2097.47 ; LM1138.13 5239.51,2113.78 5223.2,2097.47 4940,2097.47
PE0: LM1138.72 P1.4 | length 661.2
  Top Layer w10: LM1138.72 6330.94,2290.95 6411,2371 6543,2371 P1.4
PE1: LM1138.73 P1.3 | length 553
  Top Layer w10: LM1138.73 6300.63,2310.63 6414,2424 P1.3
PE2: LM1138.74 P1.2 | length 686.3
  Top Layer w10: LM1138.74 6260.31,2330.32 6401,2471 6543,2471 P1.2
PE3: LM1138.75 P1.1 | length 583.5
  Top Layer w10: LM1138.75 6220,2350 6390,2520 P1.1@6503,2520
PF0: Designator4.6 LM1138.47 | length 783.7
  Top Layer w10: LM1138.47 5852.12,1757.01 5888.85,1720.29 5888.91,1720.29 5910,1699.2 5910,1610 ; 5910,1560 5910,1610 ; Designator4.6 6022,1430 5990,1430 5910,1510 5910,1610
PF1: LM1138.61 P3.1 | length 801.1
  Top Layer w10: LM1138.61 6098.69,2074.41 6169.62,2003.47 6306.8,2003.47 6364.99,1945.28 6364.99,1895.28 6477.02,1783.25 6480.18,1786.4 6539.82,1786.4 6597.22,1729 P3.1
PF2: LM1138.60 P3.2 | length 953.8
  Top Layer w10: LM1138.60 6078.33,2054.72 6147.58,1985.47 6299.34,1985.47 6346.99,1937.82 6346.99,1887.82 6477.02,1757.79 6487.63,1768.4 6532.37,1768.4 6564,1736.77 6564,1703.56 6581.09,1686.47 6673.47,1686.47 P3.2
PF3: LM1138.59 P3.3 | length 877.2
  Top Layer w10: LM1138.59 6072.56,2035.04 6140.13,1967.47 6291.89,1967.47 6328.99,1930.37 6328.99,1880.37 6477.02,1732.34 6495.09,1750.4 6524.91,1750.4 6546,1729.31 6546,1663.36 6580.36,1629 P3.3
PF4: LM1138.58 P3.4 | length 1095.9
  Top Layer w10: LM1138.58 6066.79,2015.36 6132.67,1949.47 6284.43,1949.47 6310.99,1922.91 6310.99,1872.91 6444.53,1739.38 6444.53,1685.47 6450.07,1679.93 6502.54,1732.4 6517.46,1732.4 6528,1721.86 6528,1602 6543.53,1586.47 6673.47,1586.47 P3.4
PF5: Designator4.5 LM1138.46 | length 711.7
  Top Layer w10: LM1138.46 5832.44,1751.24 5881.39,1702.29 5881.46,1702.29 5892,1691.75 5892,1600 ; 5892,1570 5892,1600 ; Designator4.5 5892,1460 5892,1600
PF6: Designator4.4 LM1138.43 | length 716.8
  Top Layer w10: 5773.39,1547.92 5773.39,1600 ; LM1138.43 5773.39,1600 ; Designator4.4 5773.39,1478.62 5773.39,1600
PF7: Designator4.3 LM1138.42 | length 687.8
  Top Layer w10: 5753.7,1553.7 5753.7,1610 ; LM1138.42 5753.7,1610 ; Designator4.3 5753.7,1398.3 5753.7,1610
PG0: Designator1.10 JP1.6 LM1138.19 R4.1 | length 2777.3
  Top Layer w10: Designator1.10 4525,1490.86 4567.53,1533.38 4567.53,1557.53 4949.47,1939.47 5180,1939.47 ; 5160,1939.47 5180,1939.47 ; JP1.6 6484,2779.4 R4.1 6074.6,2370 5950,2370 5575.67,1995.67 LM1138.19 5284.76,1995.67 5228.56,1939.47 5180,1939.47
PG0/U2RX: 
PG1: Designator1.9 JP1.8 LM1138.18 R5.1 | length 2934.4
  Top Layer w10: Designator1.9 4931.47,1957.47 5190,1957.47 ; 5160,1957.47 5190,1957.47 ; 5936.21,2386.21 5565.36,2015.36 LM1138.18 5278.99,2015.36 5221.1,1957.47 5190,1957.47 ; 5938,2388 6000,2388 6384,2772 JP1.8 6426.53,3032.53 6517.47,3032.53 6541.47,3008.53 6541.47,2872.93 R5.1
PG1/U2TX: 
PG2: Designator1.8 LM1138.17 R10.2 | length 1044.1
  Top Layer w10: Designator1.8 4546.07,1651 4870.54,1975.47 4940,1975.47 ; 4910,1975.47 4940,1975.47 ; 5160,1975.47 5180,1975.47 ; LM1138.17 5273.22,2035.04 5213.65,1975.47 5180,1975.47 ; 4940,1975.47 5180,1975.47
PG3: Designator1.7 LM1138.16 R11.2 | length 990.8
  Top Layer w10: Designator1.7 4767.47,1993.47 4940,1993.47 ; 4910,1993.47 4940,1993.47 ; LM1138.16 5267.45,2054.72 5206.19,1993.47 4940,1993.47
PG4: Designator4.2 LM1138.41 | length 634.2
  Top Layer w10: 5734.02,1564.02 5734.02,1600 ; LM1138.41 5734.02,1600 ; Designator4.2 5734.02,1317.98 5734.02,1600
PG5: Designator4.1 LM1138.40 R8.1 | length 590.6
  Top Layer w10: 5714.33,1574.33 5714.33,1600 ; LM1138.40 5714.33,1600 ; Designator4.1 5714.33,1237.67 5714.33,1600
PG6: 
PG7: 
TCK: JP1.18 LM1138.80 R13.2 | length 582.6
  Top Layer w10: LM1138.80 5832.44,2482.54 5855.53,2505.62 5855.53,2670 5883.4,2697.87 R13.2 5884,2802.6 JP1.18
TDI: JP1.14 LM1138.78 R15.2 | length 776.6
  Top Layer w10: LM1138.78 5871.81,2470.99 5891.53,2490.71 5891.53,2598.93 R15.2 5977.13,2599.47 6049.47,2599.47 6060,2610 6060,2966 JP1.14
TDO: JP1.12 LM1138.77 R16.2 | length 733.6
  Top Layer w10: LM1138.77 5891.49,2459.01 5936.6,2504.11 R16.2 5937.9,2534 5980.43,2576.53 6066.53,2576.53 6140,2650 6140,2946 JP1.12
TMS: JP1.16 LM1138.79 R14.2 | length 615.9
  Top Layer w10: LM1138.79 5852.12,2476.76 5873.53,2498.17 5873.53,2657.93 R14.2 5935.6,2941.6 JP1.16
U-3.3V: C22.1 DBG_LED1.1 PWR_LED1.1 R2.2 R25.2 R26.2 SPX1117.2 SPX1117.4 | length 1387.4
  Top Layer w10: DBG_LED1.1 2178.5,3775.9 R25.2 ; R2.2 2819.7,3701.4 PWR_LED1.1 3010.9,3665.8 3157.84,3665.8 SPX1117.4 ; R2.2@2795,3713.6 R26.2 ; SPX1117.2 SPX1117.4 ; C22.1 3283.05,3914.07 SPX1117.4
U-5V: C21.1 C26.1 C28.1 C29.1 C30.1 CAT93C46.6 CAT93C46.8 FT2232D.3 FT2232D.14 FT2232D.31 FT2232D.42 JP2.3 R19.2 R24.2 SPX1117.3 U3.1 | length 3629.2
  Top Layer w10: U3.1 1915.07,3928 1872.07,3971 1848.87,3971 1810,4009.87 1810,4024.54 1811.26,4025.8 1811.26,4044.24 1836.45,4069.42 1969.42,4069.42 2050,4150 2050,4352.14 CAT93C46.8@2154.86,4457 ; CAT93C46.6 2223,4557 ; C28.1 2544,3703.4 C29.1 ; R24.2 2560,4511.4 2560,4649.9 2479.38,4730.53 2370.13,4730.53 R19.2 2327.6,4637.6 2247,4557 2223,4557 ; FT2232D.14 2538.52,3631.08 C30.1 ; C26.1@2751,4283.6 2750.6,4283.6 2733.44,4283.6 2636.95,4187.1 FT2232D.42 2636.95,4073.05 ; SPX1117.3 2950,3789.4 2950,3926.88 C21.1 2890.46,3985.57 FT2232D.31 2724.43,3985.57 2636.95,4073.05 ; 2223,4557 2235.69,4544.31 2235.69,4475.69 2217,4457 CAT93C46.8 2176.64,4363.36 JP2.3 2199,4301 2382,4118 2382,4069.71 2407.08,4044.63 FT2232D.3 2608.52,4044.63 2636.95,4073.05
U-/TRST: FT2232D.19 | length 203.5
  Top Layer w10: FT2232D.19 2636.95,3761.37 2658.32,3740 2658.32,3630 2658.32,3600
U-RX: FT2232D.40 U-UART.1 | length 425.1
  Top Layer w10: FT2232D.40 2676.32,4192.87 2701.44,4218 2780,4218 ; 2820,4218 2780,4218 ; U-UART.1 2780,4218
U-TCK: FT2232D.24 JTAG.9 | length 762.5
  Top Layer w10: JTAG.9 2559,3288 2733.81,3288 2759,3313.19 2759,3348.81 2735.37,3372.44 FT2232D.24
U-TDI: FT2232D.23 JTAG.5 | length 508.1
  Top Layer w10: 2715.68,3425.68 2715.68,3470 ; FT2232D.23 2715.68,3470 ; JTAG.5 2716,3469.68 2715.68,3470
U-TDO: FT2232D.22 JTAG.13 R17.1 | length 1173.5
  Top Layer w10: R17.1@2315.13,3640.87 2511.41,3837.16 2683.74,3837.16 2696,3824.9 FT2232D.22 2696,3570 ; JTAG.13 R17.1@2316,3640.87 ; 2696,3448 2696,3570 ; 2696,3550.54 2696,3570
U-TMS: FT2232D.21 JTAG.7 | length 568.6
  Top Layer w10: JTAG.7 2676.32,3391.32 2676.32,3470 ; 2676.32,3403.68 2676.32,3470 ; 2676.32,3556.32 2676.32,3570 ; FT2232D.21 2676.32,3570 ; 2676.32,3470 2676.32,3570
U-TX: FT2232D.39 U-UART.2 | length 428.6
  Top Layer w10: FT2232D.39 2696,4187.1 2708.9,4200 2780,4200 ; 2820,4200 2780,4200 ; U-UART.2 2933,4200 2780,4200
VBAT: LM1138.55 | length 356
  Top Layer w10: LM1138.55 6033.7,1956.3 6144.53,1845.47 6300,1845.47
XOSC0: C16.2 LM1138.52 Y2.2 | length 476.3
  Top Layer w10: LM1138.52 6020.19,1897.24 6107.96,1809.47 6190,1809.47 6290,1709.47 Y2.2 6290,1612.4 C16.2
XOSC1: C17.2 LM1138.53 Y2.1 | length 528.5
  Top Layer w10: LM1138.53 6047.61,1916.93 6137.07,1827.47 6160,1827.47 ; 6190,1827.47 6160,1827.47 ; C17.2 6304.38,1806.02 Y2.1 6268.55,1827.47 6160,1827.47
pads on no net: CAT93C46.7 Designator1.1 Designator1.2 FT2232D.11 FT2232D.12 FT2232D.13 FT2232D.15 FT2232D.16 FT2232D.17 FT2232D.20 FT2232D.27 FT2232D.28 FT2232D.29 FT2232D.30 FT2232D.32 FT2232D.33 FT2232D.35 FT2232D.36 FT2232D.37 FT2232D.38 FT2232D.41 JTAG.3 JTAG.11 JTAG.15 JTAG.17 JTAG.19 LM1138.36 LM1138.37 LM1138.83 LM1138.84 LM1138.85 LM1138.86 U3.5 U3.6

## Text inside footprints (layer, text, board x,y; h text height)
JP1: Top Overlay "1" at 6784,3110 h50 r180; Top Overlay "2" at 6804,3010 h50 r180